# Altium PCB Audio-Beamformer_V1.0.PcbDoc (part 11 of 11)
Units mm, origin at the board's own origin, x right, y up, seen from the top; angles counter-clockwise.
Board outline 300 x 376 mm, 2 copper layers (Top Layer, Bottom Layer), stack 1.548 mm thick; 1137 components, 629 nets, 3569 pads, 2808 vias.
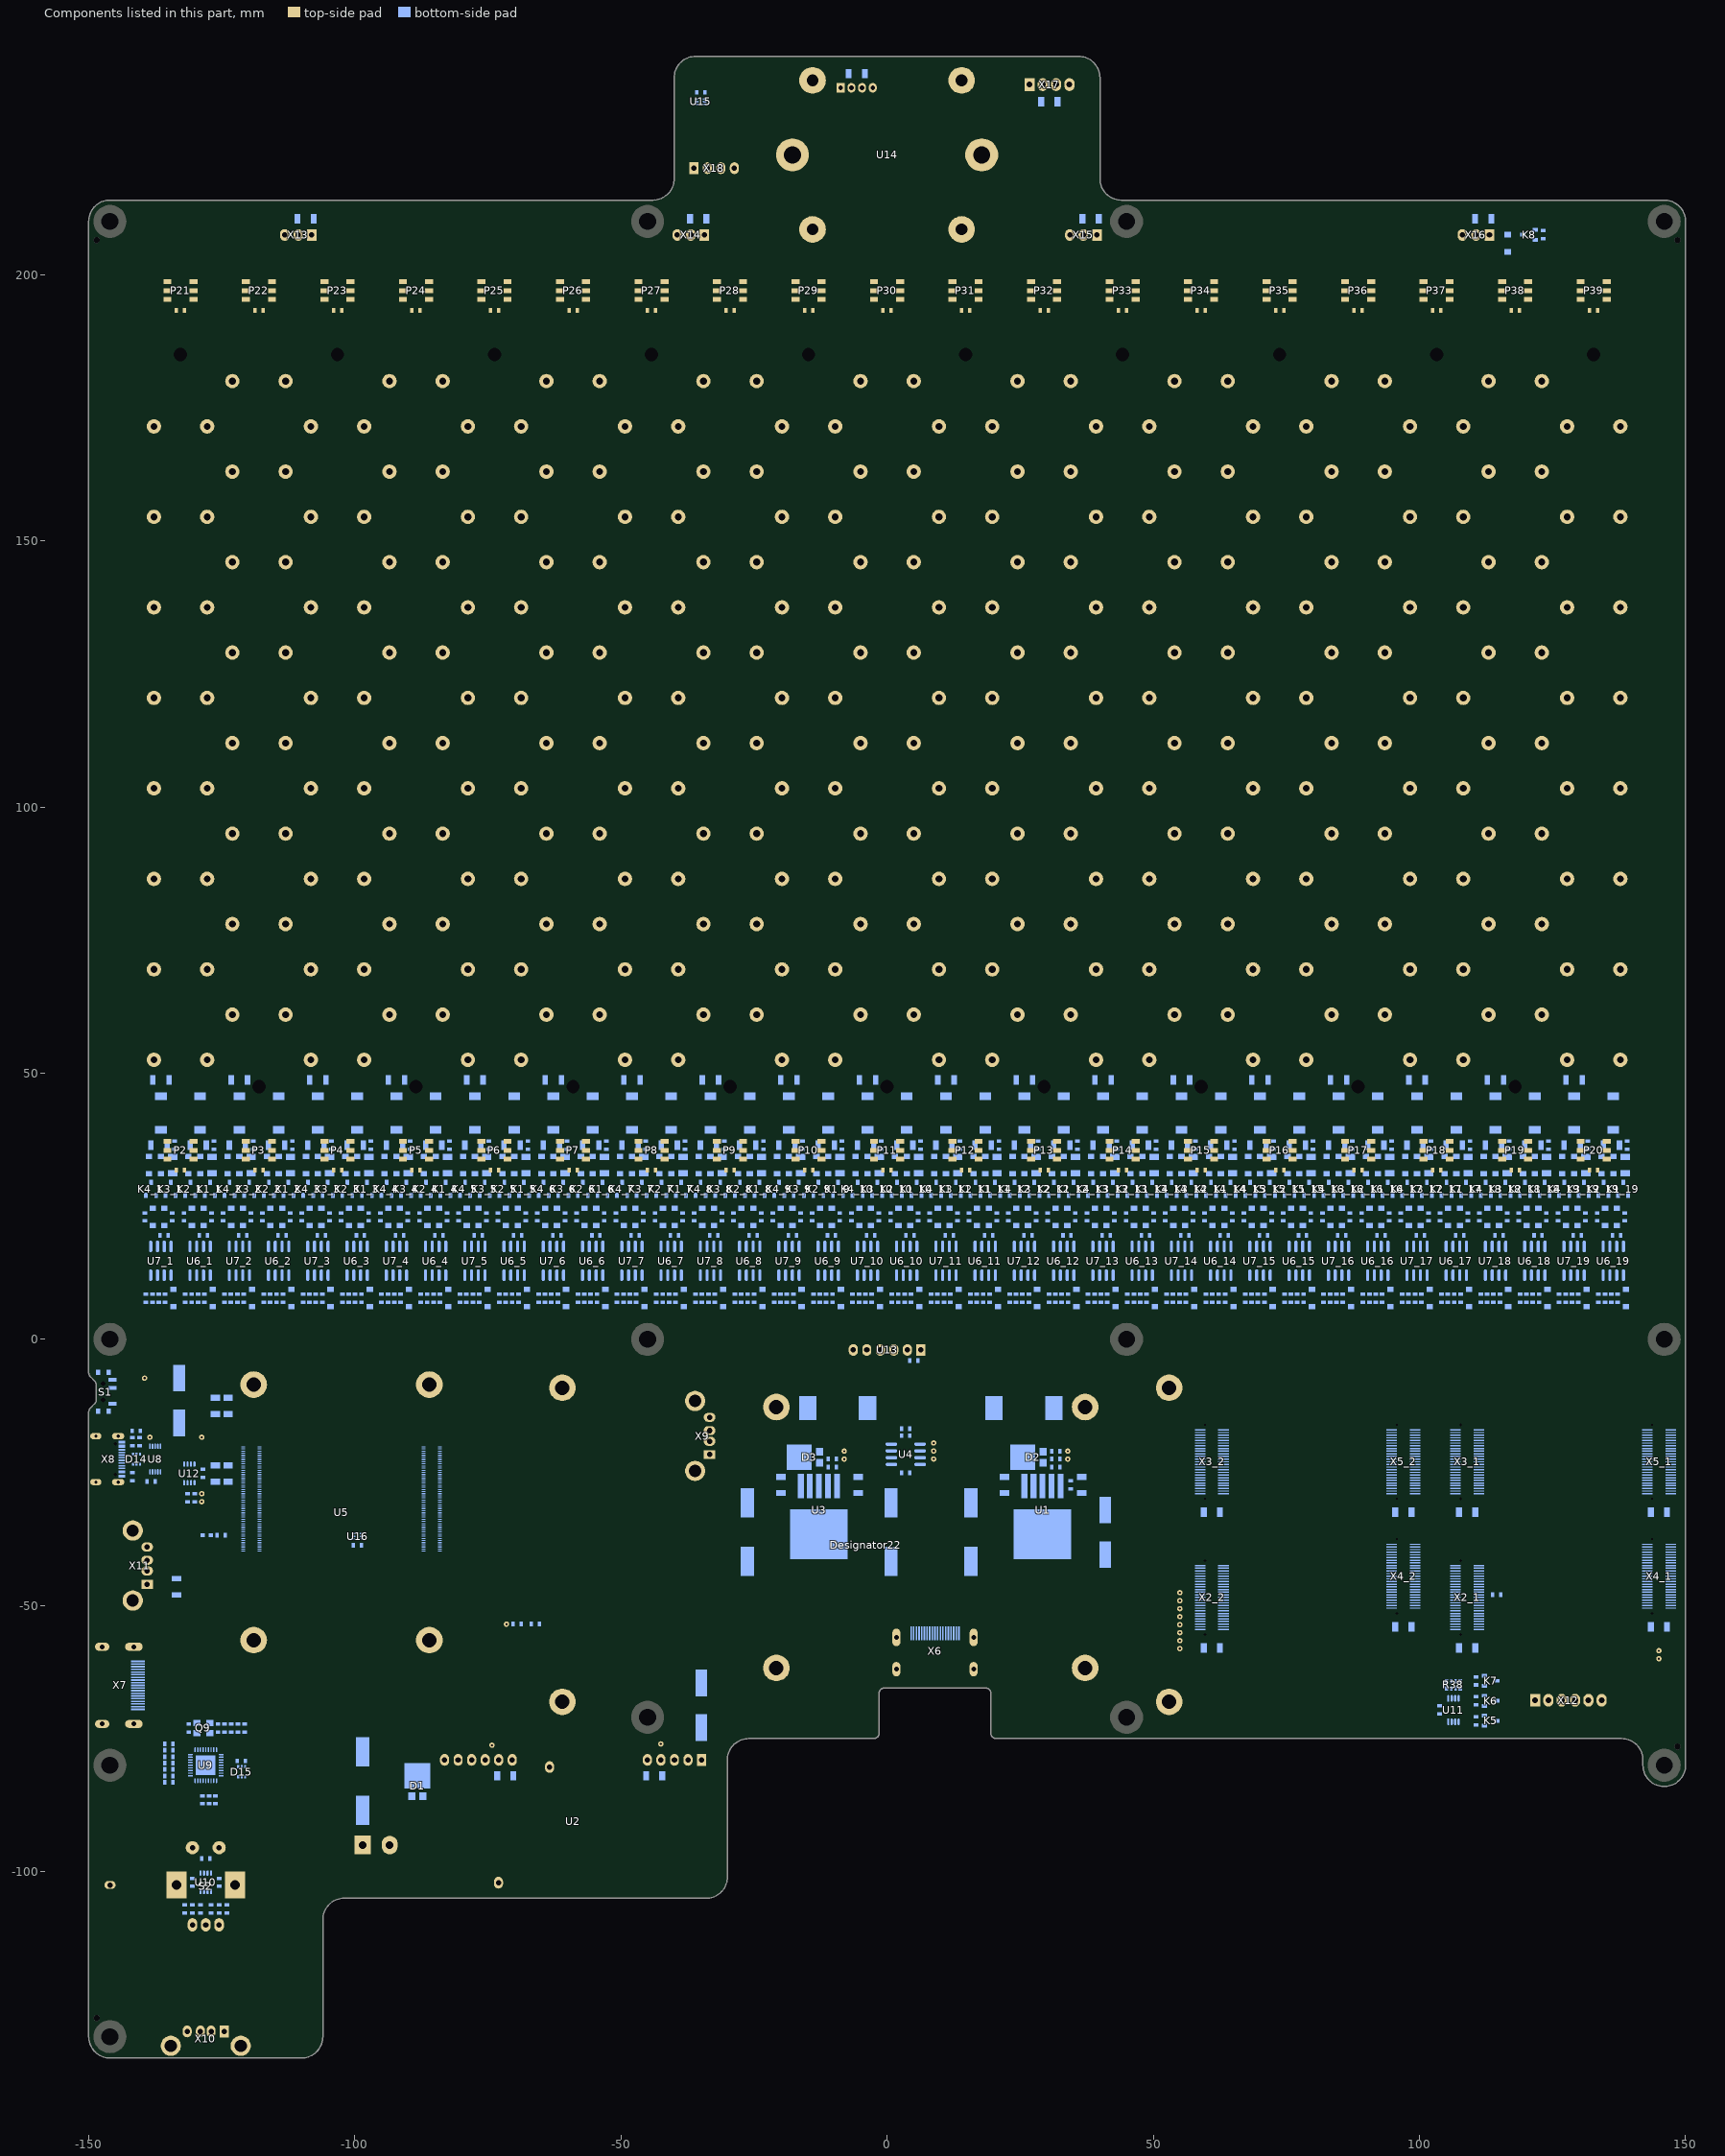
[diagram p11: the components of this part, seen from the top]

## Dimensions (continued)
-146,-135 to -146,0 on Mechanical 16
-146,-135 to -146,-80 on Mechanical 16
-150,-131 to 150,-80 on Mechanical 16
-146,-135 to -36,241 on Mechanical 16